# KiCad board blavinge.kicad_pcb
title: blavinge; rev: v1.0.0; company: Unknown
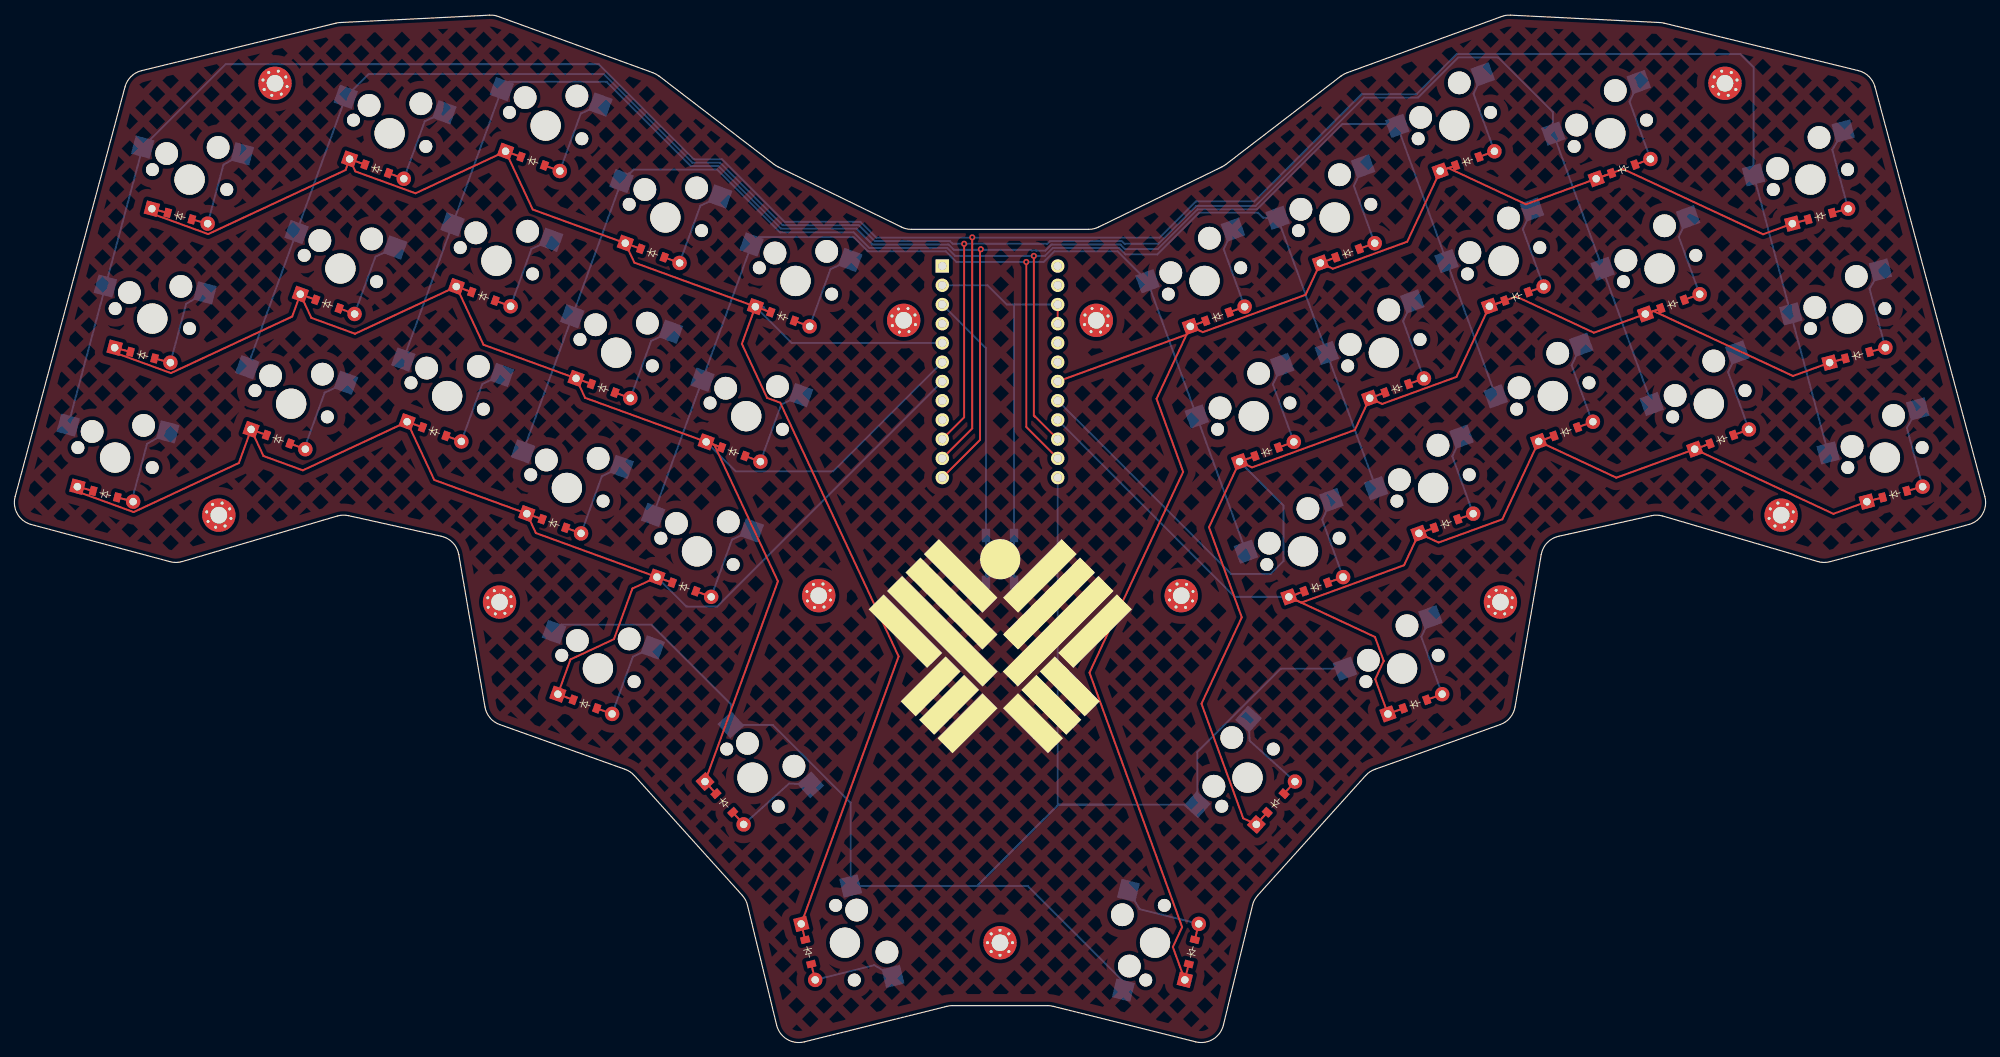
[diagram p0: board, top side]
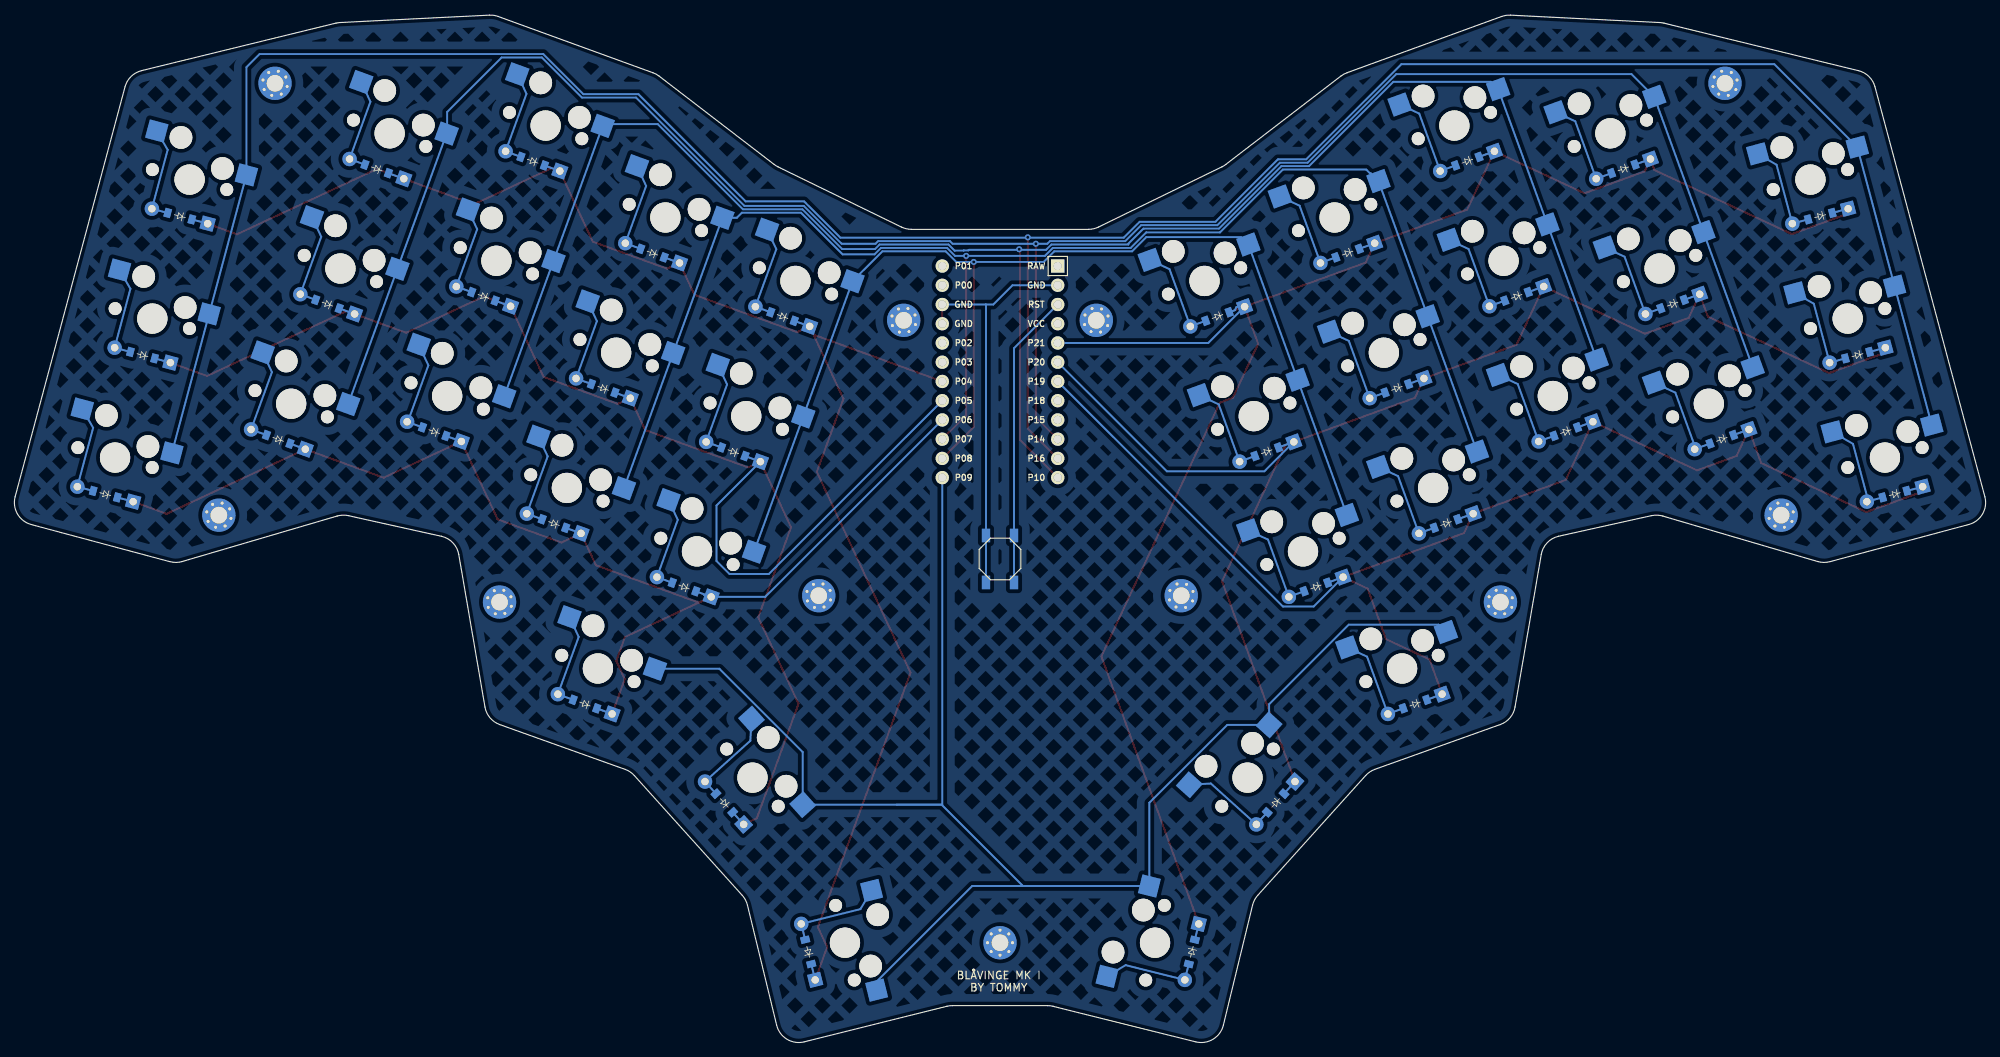
[diagram p1: board, bottom side, seen from below]

Outline 260.16 x 135.66 mm; copper layers: Top, Bottom. Coordinates in mm from the lower left corner of the outline.
Outline path: 0.1,72.07 14.6,126.19 arc(15.4,127.56) 16.79,128.33 42.44,134.6 arc(42.72,134.65) 43,134.68 62.7,135.65 arc(63.29,135.62) 63.87,135.48 84.29,128.04 arc(84.71,127.85) 85.1,127.6 100.29,115.93 arc(100.54,115.76) 100.8,115.62 117.08,107.67 arc(117.72,107.45) 118.39,107.37 141.77,107.37 arc(142.45,107.45) 143.09,107.67 159.36,115.62 arc(159.63,115.76) 159.87,115.93 175.07,127.6 arc(175.45,127.85) 175.87,128.04 196.29,135.48 arc(196.87,135.62) 197.47,135.65 217.16,134.68 arc(217.45,134.65) 217.73,134.6 243.38,128.33 arc(244.76,127.56) 245.56,126.19 260.06,72.07 arc(259.76,69.8) 257.94,68.4 239.63,63.49 arc(238.82,63.39) 238.01,63.51 217.56,69.52 arc(216.82,69.64) 216.07,69.57 203.82,66.85 arc(202.3,65.99) 201.51,64.43 198.06,44.3 arc(197.4,42.88) 196.11,41.99 179.56,36.07 arc(178.9,35.74) 178.34,35.25 164.1,19.44 arc(163.68,18.83) 163.41,18.14 159.56,2.29 arc(158.2,0.43) 155.92,0.09 137.08,4.79 arc(136.72,4.85) 136.36,4.87 123.81,4.87 arc(123.44,4.85) 123.08,4.79 104.24,0.09 arc(101.97,0.43) 100.6,2.29 96.75,18.14 arc(96.49,18.83) 96.07,19.44 81.82,35.25 arc(81.26,35.74) 80.6,36.07 64.06,41.99 arc(62.77,42.88) 62.11,44.3 58.65,64.43 arc(57.87,65.99) 56.34,66.85 44.1,69.57 arc(43.35,69.64) 42.6,69.52 22.16,63.51 arc(21.35,63.39) 20.54,63.49 2.22,68.4 arc(0.4,69.8) 0.1,72.07

## Placement (name value [footprint] x y rotation side)
_1  -  [MountingHole_2.2mm_M2_Pad_Via]  34.4 126.66 345 top
_2  -  [MountingHole_2.2mm_M2_Pad_Via]  225.77 126.66 15 top
_3  -  [MountingHole_2.2mm_M2_Pad_Via]  26.99 69.63 345 top
_4  -  [MountingHole_2.2mm_M2_Pad_Via]  233.18 69.63 15 top
_5  -  [MountingHole_2.2mm_M2_Pad_Via]  64.03 58.16 340 top
_6  -  [MountingHole_2.2mm_M2_Pad_Via]  196.13 58.16 20 top
_7  -  [MountingHole_2.2mm_M2_Pad_Via]  117.37 95.36 340 top
_8  -  [MountingHole_2.2mm_M2_Pad_Via]  142.79 95.36 20 top
_9  -  [MountingHole_2.2mm_M2_Pad_Via]  106.16 59 340 top
_10  -  [MountingHole_2.2mm_M2_Pad_Via]  154 59 20 top
_11  -  [MountingHole_2.2mm_M2_Pad_Via]  130.08 13.18 0 top
B1  -  [SW_TACT_ALPS_SKQGABE010]  130.08 63.85 90 bottom
D1  -  [ComboDiode]  11.99 72.41 345 top
D2  -  [ComboDiode]  16.91 90.76 345 top
D3  -  [ComboDiode]  21.83 109.11 345 top
D4  -  [ComboDiode]  34.82 79.65 340 top
D5  -  [ComboDiode]  41.32 97.5 340 top
D6  -  [ComboDiode]  47.82 115.35 340 top
D7  -  [ComboDiode]  55.41 80.67 340 top
D8  -  [ComboDiode]  61.91 98.52 340 top
D9  -  [ComboDiode]  68.41 116.37 340 top
D10  -  [ComboDiode]  71.21 68.53 340 top
D11  -  [ComboDiode]  77.71 86.38 340 top
D12  -  [ComboDiode]  84.21 104.24 340 top
D13  -  [ComboDiode]  88.38 60.15 340 top
D14  -  [ComboDiode]  94.88 78 340 top
D15  -  [ComboDiode]  101.38 95.86 340 top
D16  -  [ComboDiode]  75.31 44.69 340 top
D17  -  [ComboDiode]  93.7 31.63 312 top
D18  -  [ComboDiode]  104.77 11.97 284 top
D19  -  [ComboDiode]  248.17 72.41 15 top
D20  -  [ComboDiode]  243.25 90.76 15 top
D21  -  [ComboDiode]  238.33 109.11 15 top
D22  -  [ComboDiode]  225.34 79.65 20 top
D23  -  [ComboDiode]  218.85 97.5 20 top
D24  -  [ComboDiode]  212.35 115.35 20 top
D25  -  [ComboDiode]  204.75 80.67 20 top
D26  -  [ComboDiode]  198.26 98.52 20 top
D27  -  [ComboDiode]  191.76 116.37 20 top
D28  -  [ComboDiode]  188.95 68.53 20 top
D29  -  [ComboDiode]  182.45 86.38 20 top
D30  -  [ComboDiode]  175.95 104.24 20 top
D31  -  [ComboDiode]  171.78 60.15 20 top
D32  -  [ComboDiode]  165.28 78 20 top
D33  -  [ComboDiode]  158.78 95.86 20 top
D34  -  [ComboDiode]  184.86 44.69 20 top
D35  -  [ComboDiode]  166.46 31.63 48 top
D36  -  [ComboDiode]  155.39 11.97 76 top
MCU1  -  [ProMicro]  130.08 88.56 270 top
S1  -  [MX]  13.29 77.24 345 top
S2  -  [MX]  18.21 95.59 345 top
S3  -  [MX]  23.12 113.94 345 top
S4  -  [MX]  36.53 84.34 340 top
S5  -  [MX]  43.03 102.2 340 top
S6  -  [MX]  49.53 120.05 340 top
S7  -  [MX]  57.12 85.36 340 top
S8  -  [MX]  63.62 103.22 340 top
S9  -  [MX]  70.12 121.07 340 top
S10  -  [MX]  72.92 73.23 340 top
S11  -  [MX]  79.42 91.08 340 top
S12  -  [MX]  85.92 108.94 340 top
S13  -  [MX]  90.09 64.85 340 top
S14  -  [MX]  96.59 82.7 340 top
S15  -  [MX]  103.09 100.56 340 top
S16  -  [MX]  77.02 49.39 340 top
S17  -  [MX]  97.42 34.97 312 top
S18  -  [MX]  109.62 13.18 284 top
S19  -  [MX]  246.88 77.24 15 top
S20  -  [MX]  241.96 95.59 15 top
S21  -  [MX]  237.04 113.94 15 top
S22  -  [MX]  223.63 84.34 20 top
S23  -  [MX]  217.14 102.2 20 top
S24  -  [MX]  210.64 120.05 20 top
S25  -  [MX]  203.04 85.36 20 top
S26  -  [MX]  196.55 103.22 20 top
S27  -  [MX]  190.05 121.07 20 top
S28  -  [MX]  187.24 73.23 20 top
S29  -  [MX]  180.74 91.08 20 top
S30  -  [MX]  174.24 108.94 20 top
S31  -  [MX]  170.07 64.85 20 top
S32  -  [MX]  163.57 82.7 20 top
S33  -  [MX]  157.07 100.56 20 top
S34  -  [MX]  183.15 49.39 20 top
S35  -  [MX]  162.75 34.97 48 top
S36  -  [MX]  150.54 13.18 76 top

## Footprints (pads in the part's own frame, mm; a bottom-side part is the same pattern mirrored in y, then rotated)
ComboDiode
  rect 1.778x1.778 hole 0.991: 1(-3.81,0)
  rect 0.9x1.2 smd: 1(-1.65,0) 2(1.65,0)
  rect 0.9x1.2 smd far side: 1(-1.65,0) 2(1.65,0)
  round 1.905 hole 0.991: 2(3.81,0)
MountingHole_2.2mm_M2_Pad_Via
  round 0.7 hole 0.4: 1(-1.65,0) 1(-1.167,1.167) 1(-1.167,-1.167) 1(0,1.65) 1(0,-1.65) 1(1.167,1.167) 1(1.167,-1.167) 1(1.65,0)
  round 4.4 hole 2.2: 1(0,0)
MX
  round 1.702 hole 1.702 unplated: (-5.08,0) (5.08,0)
  round 3 hole 3 unplated: (-3.81,2.54) (2.54,5.08)
  round 3.988 hole 3.988 unplated: (0,0)
  rect 2.55x2.5 smd far side: 1(-7.085,2.54) 2(5.842,5.08)
ProMicro
  rect 1.753x1.753 hole 1.092: 1(-13.97,-7.62)
  round 1.753 hole 1.092: 2(-11.43,-7.62) 3(-8.89,-7.62) 4(-6.35,-7.62) 5(-3.81,-7.62) 6(-1.27,-7.62) 7(1.27,-7.62) 8(3.81,-7.62) 9(6.35,-7.62) 10(8.89,-7.62) 11(11.43,-7.62) 12(13.97,-7.62) 13(-13.97,7.62) 14(-11.43,7.62) 15(-8.89,7.62) 16(-6.35,7.62) 17(-3.81,7.62) 18(-1.27,7.62) 19(1.27,7.62) 20(3.81,7.62) 21(6.35,7.62) 22(8.89,7.62) 23(11.43,7.62) 24(13.97,7.62)
SW_TACT_ALPS_SKQGABE010
  rect 1.8x1.1 smd: 1(-3.1,1.85) 1(3.1,1.85) 2(-3.1,-1.85) 2(3.1,-1.85)

## Nets
GND: B1.1 MCU1.2 MCU1.15 MCU1.16
VCC: MCU1.4
far_thumb: D18.2 S18.2
home_thumb: D17.2 S17.2
index_bottom: D10.2 S10.2
index_home: D11.2 S11.2
index_top: D12.2 S12.2
inner_bottom: D13.2 S13.2
inner_home: D14.2 S14.2
inner_top: D15.2 S15.2
middle_bottom: D7.2 S7.2
middle_home: D8.2 S8.2
middle_top: D9.2 S9.2
mirror_far_thumb: D36.2 S36.2
mirror_home_thumb: D35.2 S35.2
mirror_index_bottom: D28.2 S28.2
mirror_index_home: D29.2 S29.2
mirror_index_top: D30.2 S30.2
mirror_inner_bottom: D31.2 S31.2
mirror_inner_home: D32.2 S32.2
mirror_inner_top: D33.2 S33.2
mirror_middle_bottom: D25.2 S25.2
mirror_middle_home: D26.2 S26.2
mirror_middle_top: D27.2 S27.2
mirror_near_thumb: D34.2 S34.2
mirror_pinky_bottom: D19.2 S19.2
mirror_pinky_home: D20.2 S20.2
mirror_pinky_top: D21.2 S21.2
mirror_ring_bottom: D22.2 S22.2
mirror_ring_home: D23.2 S23.2
mirror_ring_top: D24.2 S24.2
near_thumb: D16.2 S16.2
P0: MCU1.14
P1: MCU1.13
P2: MCU1.17
P3: MCU1.18
P4: D21.1 D24.1 D27.1 D30.1 D33.1 D36.1 MCU1.19
P5: D20.1 D23.1 D26.1 D29.1 D32.1 D35.1 MCU1.20
P6: D19.1 D22.1 D25.1 D28.1 D31.1 D34.1 MCU1.21
P7: MCU1.22 S10.1 S11.1 S12.1 S28.1 S29.1 S30.1
P8: MCU1.23 S13.1 S14.1 S15.1 S31.1 S32.1 S33.1
P9: MCU1.24 S16.1 S17.1 S18.1 S34.1 S35.1 S36.1
P10: MCU1.12 S7.1 S8.1 S9.1 S25.1 S26.1 S27.1
P14: MCU1.10 S4.1 S5.1 S6.1 S22.1 S23.1 S24.1
P15: MCU1.9
P16: MCU1.11 S1.1 S2.1 S3.1 S19.1 S20.1 S21.1
P18: MCU1.8
P19: D1.1 D4.1 D7.1 D10.1 D13.1 D16.1 MCU1.7
P20: D2.1 D5.1 D8.1 D11.1 D14.1 D17.1 MCU1.6
P21: D3.1 D6.1 D9.1 D12.1 D15.1 D18.1 MCU1.5
pinky_bottom: D1.2 S1.2
pinky_home: D2.2 S2.2
pinky_top: D3.2 S3.2
RAW: MCU1.1
ring_bottom: D4.2 S4.2
ring_home: D5.2 S5.2
ring_top: D6.2 S6.2
RST: B1.2 MCU1.3

Pads without a net: _1 1; _2 1; _3 1; _4 1; _5 1; _6 1; _7 1; _8 1; _9 1; _10 1; _11 1

## Via types
v1: diameter 0.8, hole 0.4, Top to Bottom, 5 vias

## Routing (per net, layer and track width the routed paths; a pad name or vN(x,y) marks a point on that pad's centre or on a via; arc(x,y) is an arc through that point)
GND: length 55.5
  Top w0.25: MCU1.16 MCU1.15
  Bottom w0.25: MCU1.2 128.43,99.99 130.97,97.45 131.97,97.45 ; 131.97,97.45 131.93,97.41 B1.1 B1.1 ; 131.97,97.45 MCU1.15
far_thumb: length 15.2
  Top w0.25: D18.2 D18.2
  Bottom w0.25: D18.2 D18.2 113.5,10.22 S18.2
home_thumb: length 15.3
  Top w0.25: D17.2 D17.2
  Bottom w0.25: S17.2 105.08,34.05 102.25,34.2 D17.2 D17.2
index_bottom: length 15.2
  Top w0.25: D10.2 D10.2
  Bottom w0.25: D10.2 D10.2 77.54,74.79 S10.2
index_home: length 15.2
  Top w0.25: D11.2 D11.2
  Bottom w0.25: D11.2 D11.2 84.04,92.64 S11.2
index_top: length 15.2
  Top w0.25: D12.2 D12.2
  Bottom w0.25: S12.2 90.54,110.5 D12.2 D12.2
inner_bottom: length 15.2
  Top w0.25: D13.2 D13.2
  Bottom w0.25: D13.2 D13.2 94.72,66.41 S13.2
inner_home: length 15.2
  Top w0.25: D14.2 D14.2
  Bottom w0.25: S14.2 101.21,84.26 D14.2 D14.2
inner_top: length 15.2
  Top w0.25: D15.2 D15.2
  Bottom w0.25: S15.2 107.71,102.12 D15.2 D15.2
middle_bottom: length 15.3
  Top w0.25: D7.2 D7.2
  Bottom w0.25: D7.2 D7.2 61.75,86.95 64.32,88.15 S7.2
middle_home: length 15.2
  Top w0.25: D8.2 D8.2
  Bottom w0.25: S8.2 68.24,104.78 D8.2 D8.2
middle_top: length 15.3
  Top w0.25: D9.2 D9.2
  Bottom w0.25: D9.2 D9.2 74.75,122.66 77.32,123.86 S9.2
mirror_far_thumb: length 15.2
  Top w0.25: D36.2 D36.2
  Bottom w0.25: D36.2 D36.2 148.51,17.61 S36.2
mirror_home_thumb: length 15.2
  Top w0.25: D35.2 D35.2
  Bottom w0.25: S35.2 163.03,39.84 D35.2 D35.2
mirror_index_bottom: length 15.2
  Top w0.25: D28.2 D28.2
  Bottom w0.25: S28.2 189.78,77.39 D28.2 D28.2
mirror_index_home: length 15.2
  Top w0.25: D29.2 D29.2
  Bottom w0.25: D29.2 D29.2 183.28,95.25 S29.2
mirror_index_top: length 15.2
  Top w0.25: D30.2 D30.2
  Bottom w0.25: S30.2 176.78,113.1 D30.2 D30.2
mirror_inner_bottom: length 15.2
  Top w0.25: D31.2 D31.2
  Bottom w0.25: D31.2 D31.2 172.61,69.02 S31.2
mirror_inner_home: length 15.3
  Top w0.25: D32.2 D32.2
  Bottom w0.25: S32.2 167.3,89.47 166.1,86.89 D32.2 D32.2
mirror_inner_top: length 15.3
  Top w0.25: D33.2 D33.2
  Bottom w0.25: D33.2 D33.2 159.6,104.75 160.8,107.32 S33.2
mirror_middle_bottom: length 15.3
  Top w0.25: D25.2 D25.2
  Bottom w0.25: S25.2 205.53,89.42 208.22,82.02 D25.2 D25.2
mirror_middle_home: length 15.2
  Top w0.25: D26.2 D26.2
  Bottom w0.25: S26.2 199.08,107.39 D26.2 D26.2
mirror_middle_top: length 15.3
  Top w0.25: D27.2 D27.2
  Bottom w0.25: D27.2 D27.2 192.58,125.26 193.78,127.84 S27.2
mirror_near_thumb: length 15.2
  Top w0.25: D34.2 D34.2
  Bottom w0.25: S34.2 185.69,53.56 D34.2 D34.2
mirror_pinky_bottom: length 15.2
  Top w0.25: D19.2 D19.2
  Bottom w0.25: D19.2 D19.2 249.77,81.17 S19.2
mirror_pinky_home: length 15.2
  Top w0.25: D20.2 D20.2
  Bottom w0.25: D20.2 D20.2 244.85,99.52 S20.2
mirror_pinky_top: length 15.2
  Top w0.25: D21.2 D21.2
  Bottom w0.25: S21.2 239.93,117.87 D21.2 D21.2
mirror_ring_bottom: length 15.2
  Top w0.25: D22.2 D22.2
  Bottom w0.25: D22.2 D22.2 226.17,88.51 S22.2
mirror_ring_home: length 15.3
  Top w0.25: D23.2 D23.2
  Bottom w0.25: S23.2 220.86,108.96 219.66,106.39 D23.2 D23.2
mirror_ring_top: length 15.2
  Top w0.25: D24.2 D24.2
  Bottom w0.25: D24.2 D24.2 213.17,124.22 S24.2
near_thumb: length 15.2
  Top w0.25: D16.2 D16.2
  Bottom w0.25: D16.2 D16.2 81.64,50.95 S16.2
P4: length 232.6
  Top w0.25: D30.1 170.42,98.73 156.84,93.79 D33.1 ; D30.1 D30.1 ; D30.1 174.01,102.17 183.83,105.74 D27.1 ; D21.1 D21.1 230.79,106.72 212.3,115.34 D24.1 ; D36.1 D36.1 152.89,12.61 154.12,15.24 141.89,48.84 154.25,75.35 150.75,84.99 D33.1 ; D33.1 154.7,93.47 MCU1.19 ; D33.1 D33.1 ; D24.1 199.5,110.68 189.25,115.46 D27.1 ; D24.1 D24.1 ; D27.1 D27.1
  Bottom w0.25: D30.1 D30.1 ; D36.1 D36.1 ; D21.1 D21.1 ; D33.1 D33.1 ; D24.1 D24.1 ; D27.1 D27.1
P5: length 226.6
  Top w0.25: D29.1 176.91,80.88 163.34,75.94 D32.1 ; D29.1 180.51,84.32 190.33,87.89 D26.1 ; D29.1 D29.1 ; D26.1 198.21,98.5 208.46,93.72 D23.1 ; D26.1 D26.1 ; D23.1 D23.1 ; D23.1 216.34,96.59 234.73,88.01 D20.1 D20.1 ; D32.1 D32.1 ; D32.1 157.66,68.04 161.99,56.14 156.67,44.74 162.18,29.6 D35.1 D35.1
  Bottom w0.25: D20.1 D20.1 ; MCU1.20 160.58,61.87 165.79,61.87 167.5,63.58 167.5,70.91 D32.1 D32.1 ; D29.1 D29.1 ; D26.1 D26.1 ; D23.1 D23.1 ; D35.1 D35.1
P6: length 180.9
  Top w0.25: D19.1 D19.1 240.06,69.81 D22.1 ; D31.1 D31.1 ; D31.1 169.84,58.08 183.41,63.02 D28.1 ; D31.1 179.58,53.54 180.73,50.38 179.61,47.98 D34.1 D34.1 ; D28.1 187.96,66.02 196.38,69.08 D25.1 ; D28.1 D28.1 ; D22.1 211.43,74.58 D25.1 ; D22.1 D22.1 ; D25.1 D25.1
  Bottom w0.25: D19.1 D19.1 ; D22.1 D22.1 ; D31.1 169.17,59.2 169.11,59.07 168.33,58.79 D31.1 161.06,58.85 MCU1.21 ; D25.1 D25.1 ; D28.1 D28.1 ; D34.1 D34.1
P7: length 196.8
  Top w0.25: v1(134.55,103.87) 134.55,82.77 134.65,82.67 134.7,82.67 MCU1.22
  Bottom w0.25: S10.1 S12.1 81.15,114.77 81.25,114.77 81.75,115.27 92.75,115.27 101.05,106.97 110.78,106.97 112.83,104.92 123.11,104.92 124.16,103.87 v1(134.55,103.87) 136.01,103.87 137.06,104.92 145.79,104.92 146.64,104.07 150.85,104.07 156.35,109.57 164.15,109.57 164.82,108.9 S30.1 S28.1
P8: length 159.9
  Top w0.25: v1(133.55,103.07) 133.55,81.28 MCU1.23
  Bottom w0.25: S13.1 S15.1 98.28,106.34 110.77,106.34 112.65,104.47 122.92,104.47 124.32,103.07 v1(133.55,103.07) 135.85,103.07 137.25,104.47 145.6,104.47 S33.1 S31.1
P9: length 217.9
  Bottom w0.25: S16.1 72.2,55.17 84.06,55.17 94.56,44.67 S17.1 100.09,41.94 110.37,31.66 S18.1 133.75,20.67 146.36,8.05 S36.1 ; 127.15,20.67 127.15,20.77 137.79,31.41 143.69,31.41 ; 143.69,31.41 137.7,31.41 MCU1.24 ; 143.69,31.41 S35.1 156.12,38.36 167.11,49.35 S34.1
P10: length 243.7
  Top w0.25: v1(127.55,104.74) 127.45,104.64 127.45,79.57 MCU1.12
  Bottom w0.25: S25.1 S27.1 182.29,121.27 175.25,121.27 164,110.02 156.16,110.02 150.91,104.77 146.58,104.77 145.98,105.37 136.88,105.37 136.08,104.57 134.87,104.57 134.85,104.59 134.25,104.59 134.17,104.67 127.62,104.67 v1(127.55,104.74) 127.47,104.67 124,104.67 123.3,105.37 113.15,105.37 113.15,105.47 111.15,107.47 101.18,107.47 92.93,115.72 89.3,115.72 78.16,126.85 65.3,126.85 S9.1 S7.1
P14: length 289.2
  Top w0.25: v1(125.35,105.47) 125.35,82.55 MCU1.10
  Bottom w0.25: S4.1 S6.1 46.74,127.87 77.78,127.87 89.48,116.17 93.15,116.17 101.4,107.92 111.45,107.92 113.55,105.82 123.48,105.82 123.83,105.47 v1(125.35,105.47) 136.34,105.47 136.69,105.82 146.16,105.82 146.51,105.47 150.98,105.47 155.98,110.47 163.81,110.47 178.11,124.77 185.25,124.77 190.55,130.07 195.85,130.07 203.05,122.87 203.05,120.08 S24.1 S22.1
P16: length 358.5
  Top w0.25: v1(126.42,106.31) 126.42,81.08 MCU1.11
  Bottom w0.25: S1.1 S3.1 27.89,129.18 77.11,129.18 89.67,116.62 93.4,116.62 101.65,108.37 111.65,108.37 113.75,106.27 126.37,106.27 v1(126.42,106.31) 126.47,106.27 151.14,106.27 155.94,111.07 163.65,111.07 177.8,125.22 185.06,125.22 190.36,130.52 227.8,130.52 229.54,128.78 S21.1 S19.1
P19: length 193.7
  Top w0.25: D4.1 D4.1 ; D4.1 29.63,76.52 15.73,70.04 8.68,72.61 D1.1 D1.1 ; D4.1 32.88,77.44 38.07,75.55 D7.1 ; D10.1 55.42,74.28 D7.1 ; D10.1 D10.1 ; D10.1 68.83,67.27 D13.1 ; D7.1 D7.1 ; D13.1 81.57,59.94 79.13,53.26 73.4,50.59 D16.1 D16.1 ; D13.1 D13.1
  Bottom w0.25: D4.1 D4.1 ; D7.1 D7.1 ; D1.1 D1.1 ; MCU1.7 92.74,57.57 88.69,57.57 D13.1 D13.1 ; D16.1 D16.1 ; D10.1 D10.1
P20: length 208.6
  Top w0.25: D14.1 D14.1 ; D14.1 75.33,85.12 D11.1 ; D14.1 92.37,78.92 100.77,60.9 D17.1 D17.1 ; D11.1 D11.1 ; D11.1 61.91,92.13 D8.1 ; D5.1 D5.1 ; D5.1 39.19,95.68 44.95,93.58 D8.1 ; D5.1 36.67,95.86 20.65,88.39 13.6,90.96 D2.1 D2.1 ; D8.1 D8.1
  Bottom w0.25: D11.1 D11.1 ; D17.1 D17.1 ; D2.1 D2.1 ; D8.1 D8.1 ; MCU1.6 108.06,75.42 95.18,75.42 D14.1 D14.1 ; D5.1 D5.1
P21: length 236.9
  Top w0.25: D9.1 68.41,109.99 D12.1 ; D9.1 52.94,112.13 45,115.02 D6.1 ; D9.1 D9.1 ; D15.1 96.01,92.26 99.34,85.11 101.08,84.48 116.7,50.98 D18.1 D18.1 ; D15.1 81.82,102.98 D12.1 ; D15.1 D15.1 ; D12.1 D12.1 ; D3.1 D3.1 18.52,109.31 25.57,106.74 43.71,115.2 D6.1 ; D6.1 D6.1
  Bottom w0.25: D15.1 99.08,96.7 98.9,97.08 98.19,97.34 D15.1 102.59,92.37 MCU1.5 ; D18.1 D18.1 ; D6.1 D6.1 ; D12.1 D12.1 ; D9.1 D9.1 ; D3.1 D3.1
pinky_bottom: length 15.4
  Top w0.25: D1.2 D1.2
  Bottom w0.25: S1.2 17.5,79.05 15.53,71.67 D1.2 D1.2
pinky_home: length 15.2
  Top w0.25: D2.2 D2.2
  Bottom w0.25: D2.2 D2.2 22.67,97.55 S2.2
pinky_top: length 15.2
  Top w0.25: D3.2 D3.2
  Bottom w0.25: D3.2 D3.2 27.59,115.9 S3.2
ring_bottom: length 15.4
  Top w0.25: D4.2 D4.2
  Bottom w0.25: D4.2 D4.2 38.31,78.54 40.95,85.81 S4.2
ring_home: length 15.2
  Top w0.25: D5.2 D5.2
  Bottom w0.25: S5.2 47.65,103.76 D5.2 D5.2
ring_top: length 15.3
  Top w0.25: D6.2 D6.2
  Bottom w0.25: D6.2 D6.2 54.16,121.64 56.73,122.84 S6.2
RST: length 39.1
  Bottom w0.25: MCU1.3 128.23,91.68 B1.2 B1.2

## Copper pours and planes (outline as drawn; the poured copper is in the pictures)
(no net) on Top: 263.45,-28.43 -6.35,-16.53 -7.55,157.37 285.85,158.67
(no net) on Bottom: 273.85,-21.33 -4.75,-15.03 -6.95,157.47 286.45,159.37

## Text on the board
B.Silkscreen: BLÅVINGE MK I / BY TOMMY
